# KiCad board ttlcalc2.kicad_pcb
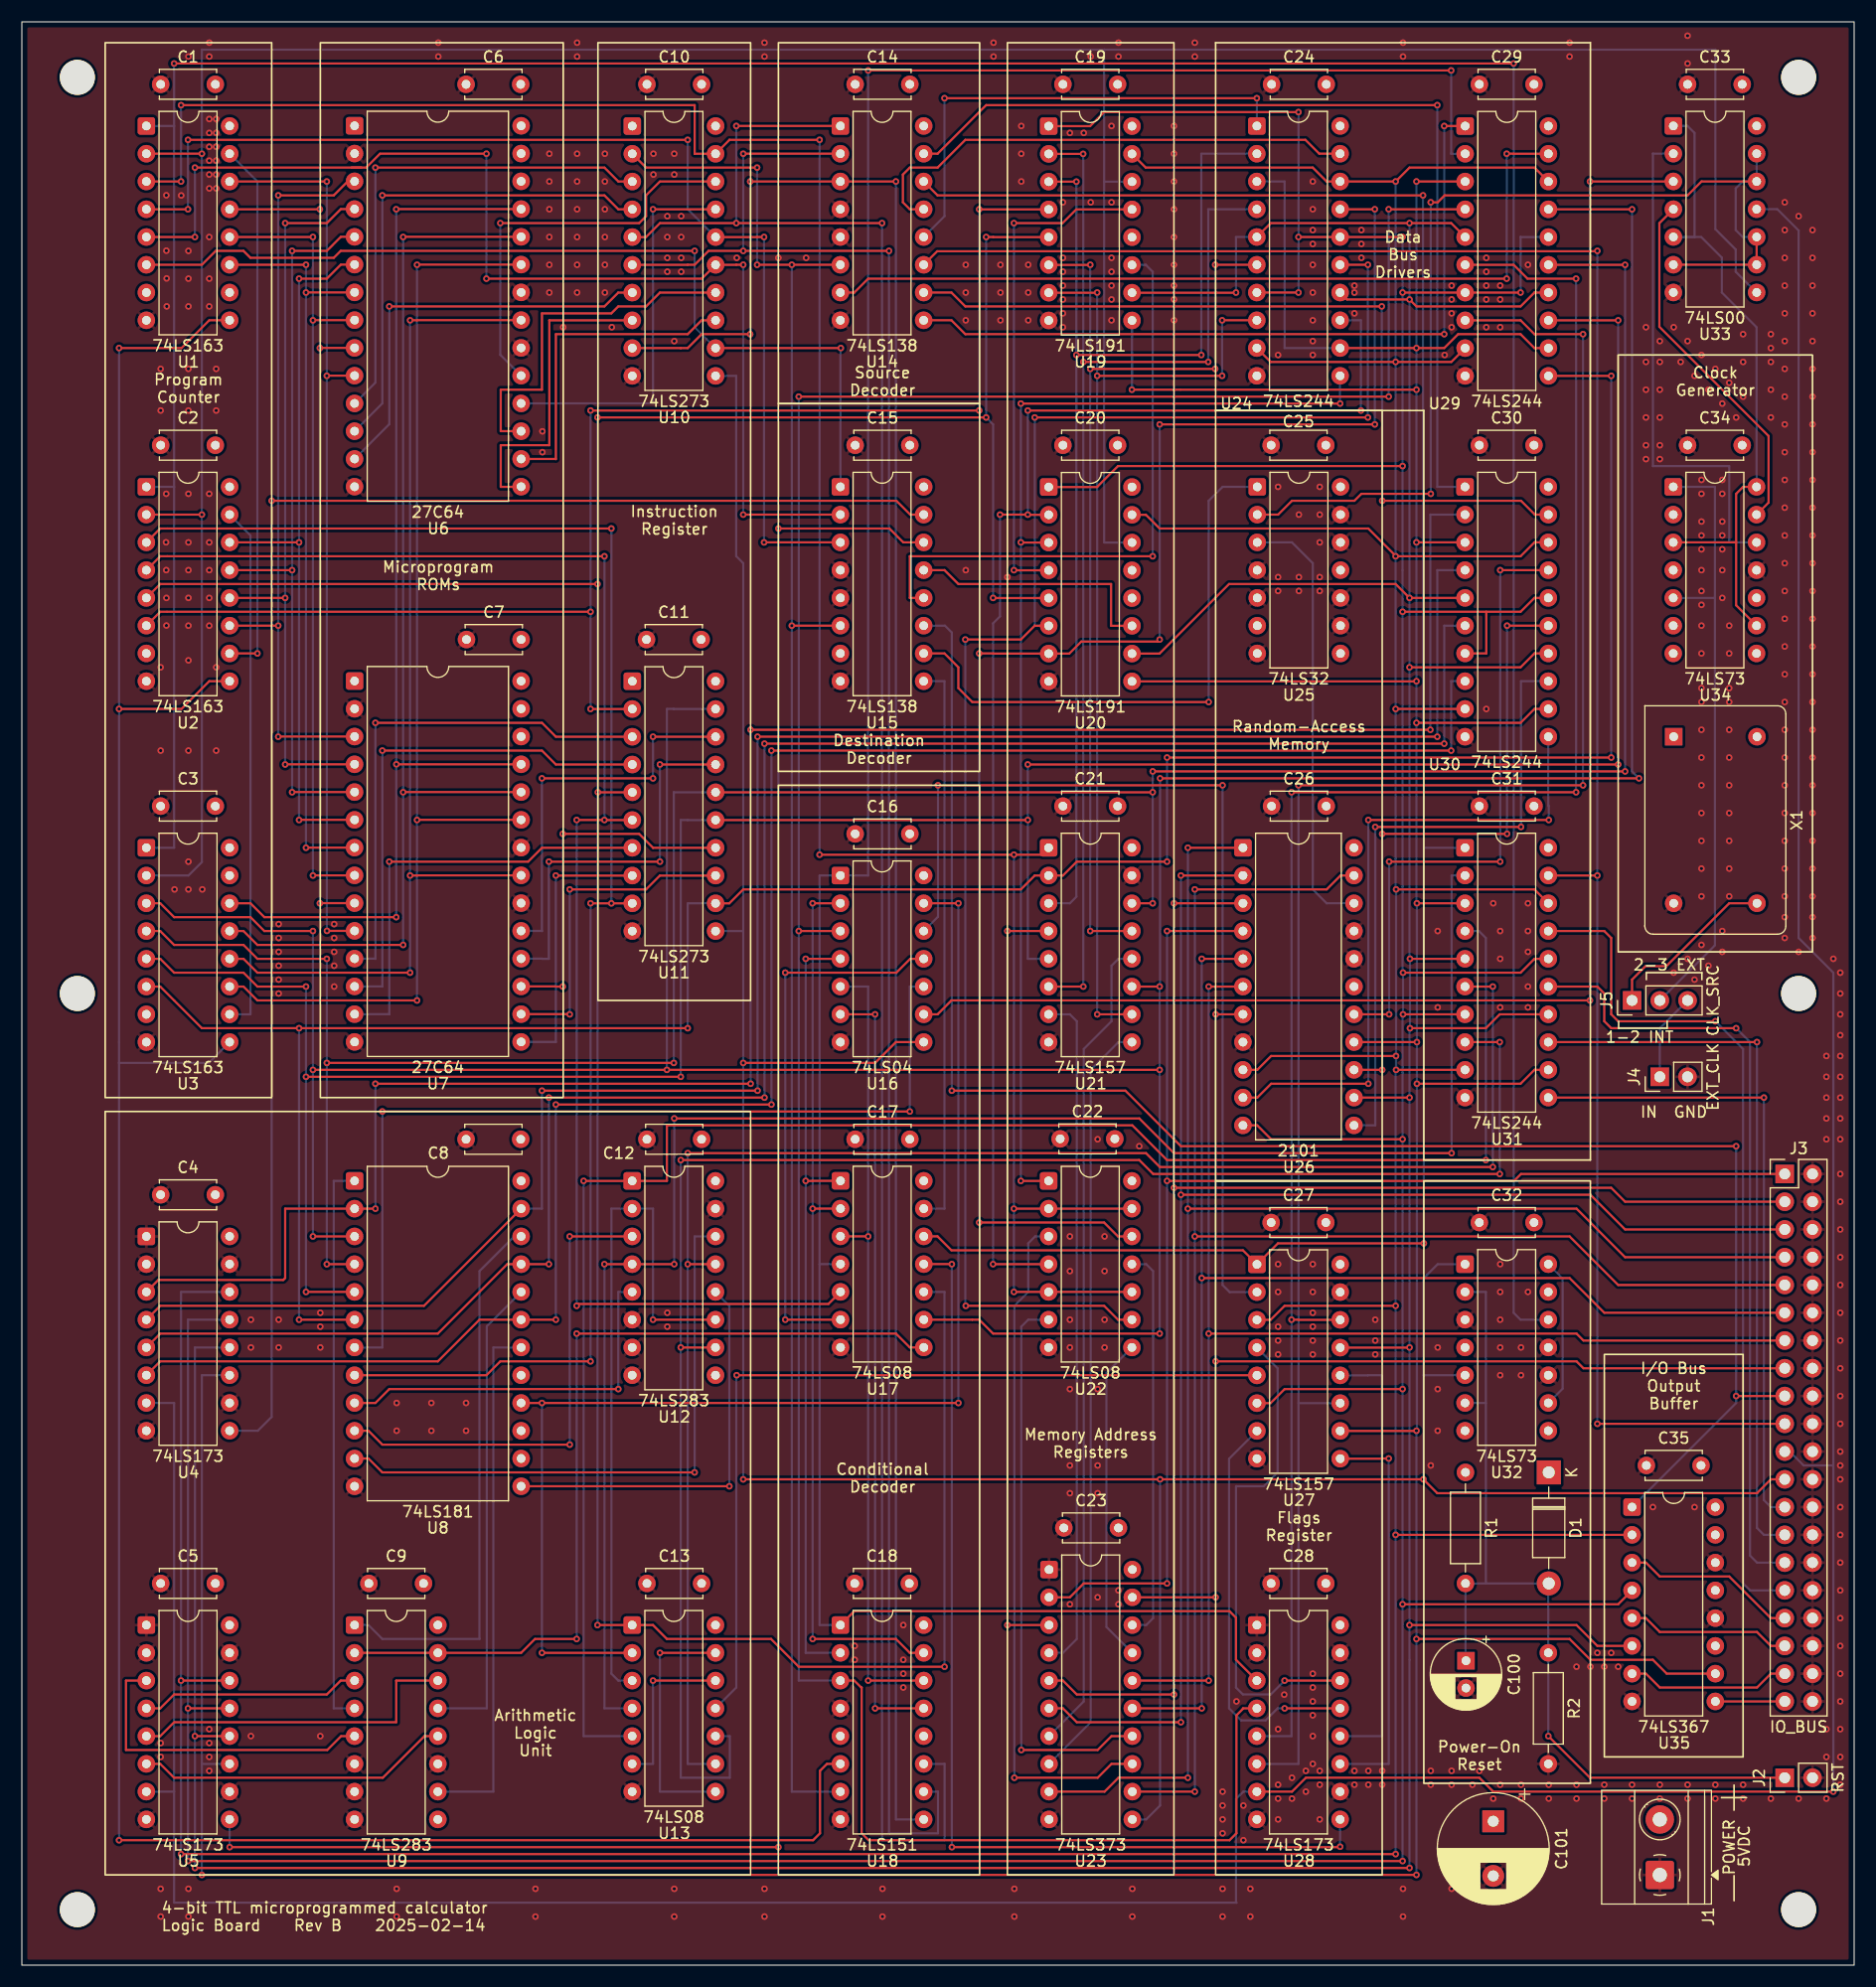
[diagram p0: board, top side]
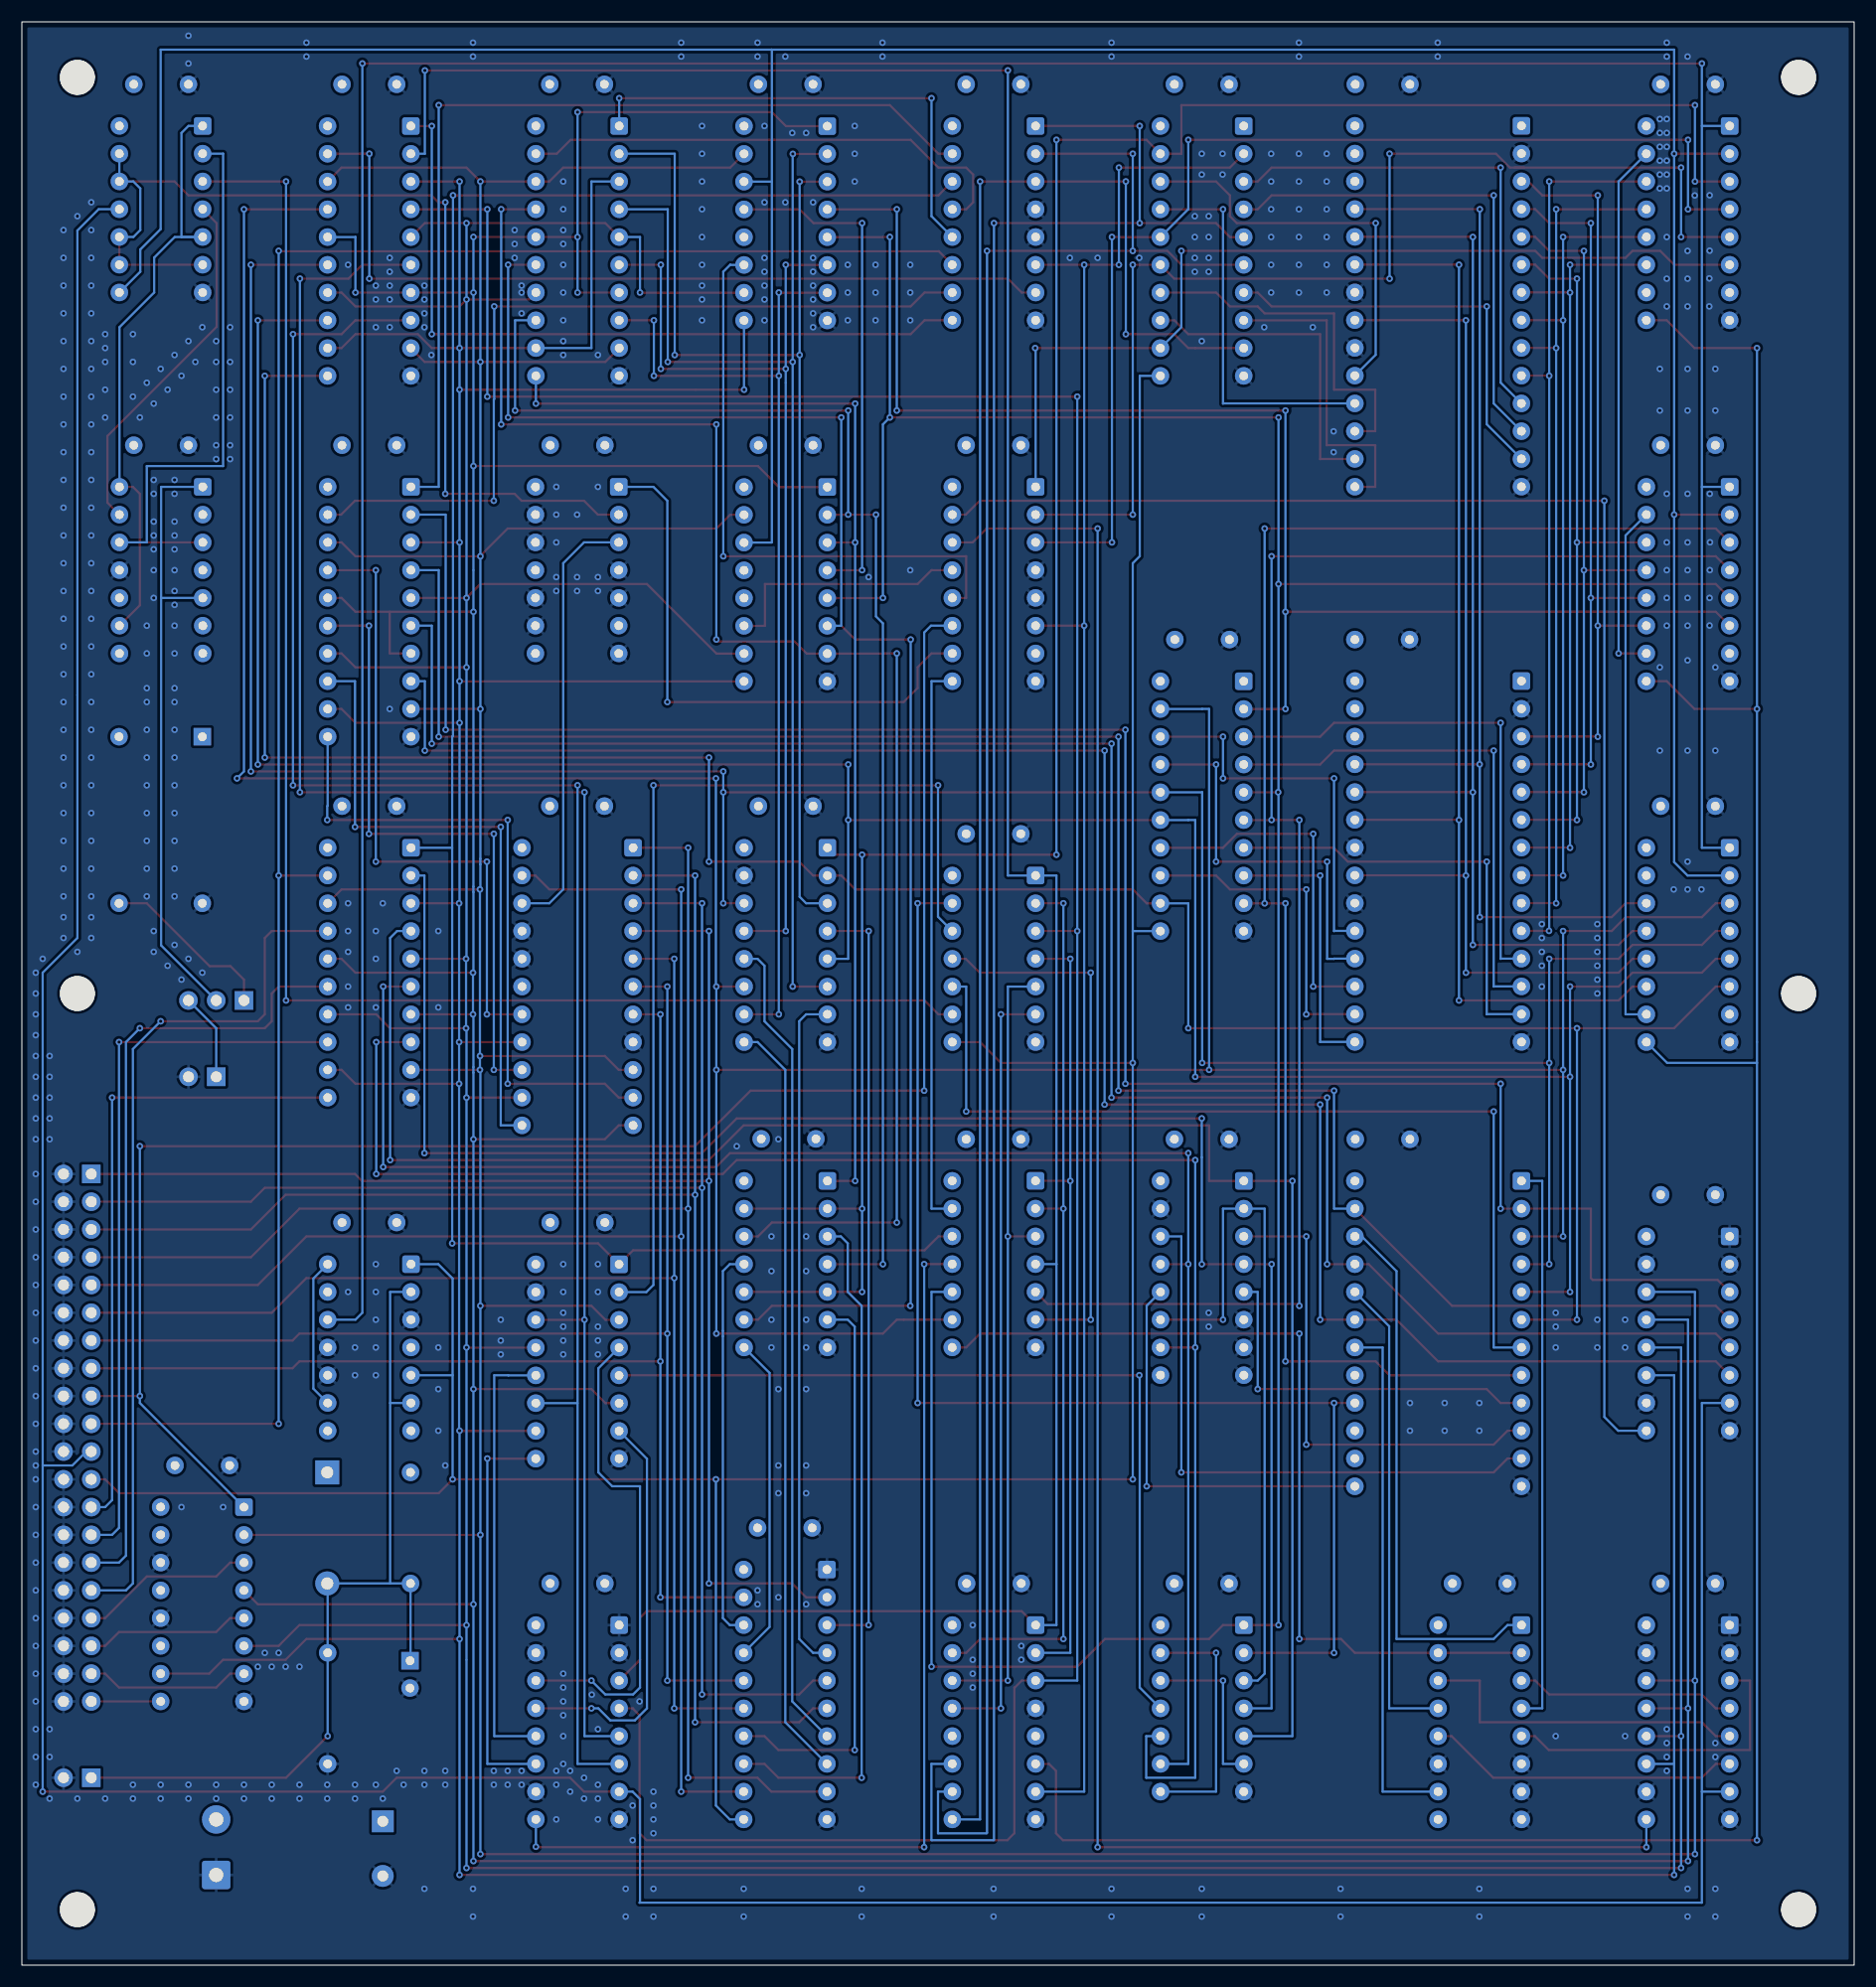
[diagram p1: board, bottom side, seen from below]

Outline 167.64 x 177.8 mm; copper layers: Top, In1.Cu (plane), In2.Cu (plane), Bottom. Coordinates in mm from the lower left corner of the outline.
Outline path: rectangle 0,177.8 167.64,0
Stack: Top 0.035mm / dielectric 0.1mm FR4 er 4.5 / In1.Cu 0.035mm / dielectric 1.24mm FR4 er 4.5 / In2.Cu 0.035mm / dielectric 0.1mm FR4 er 4.5 / Bottom 0.035mm

## Placement (name value [footprint] x y rotation side)
C1  100n  [C_Disc_D5.0mm_W2.5mm_P5.00mm]  12.7 172.09 0 top
C2  100n  [C_Disc_D5.0mm_W2.5mm_P5.00mm]  12.7 139.06 0 top
C3  100n  [C_Disc_D5.0mm_W2.5mm_P5.00mm]  12.7 106.05 0 top
C4  100n  [C_Disc_D5.0mm_W2.5mm_P5.00mm]  12.7 70.49 0 top
C5  100n  [C_Disc_D5.0mm_W2.5mm_P5.00mm]  12.7 34.93 0 top
C6  100n  [C_Disc_D5.0mm_W2.5mm_P5.00mm]  40.64 172.09 0 top
C7  100n  [C_Disc_D5.0mm_W2.5mm_P5.00mm]  40.68 121.29 0 top
C8  100n  [C_Disc_D5.0mm_W2.5mm_P5.00mm]  40.64 75.57 0 top
C9  100n  [C_Disc_D5.0mm_W2.5mm_P5.00mm]  31.75 34.93 0 top
C10  100n  [C_Disc_D5.0mm_W2.5mm_P5.00mm]  57.19 172.09 0 top
C11  100n  [C_Disc_D5.0mm_W2.5mm_P5.00mm]  57.15 121.29 0 top
C12  100n  [C_Disc_D5.0mm_W2.5mm_P5.00mm]  57.19 75.57 0 top
C13  100n  [C_Disc_D5.0mm_W2.5mm_P5.00mm]  57.19 34.93 0 top
C14  100n  [C_Disc_D5.0mm_W2.5mm_P5.00mm]  76.24 172.09 0 top
C15  100n  [C_Disc_D5.0mm_W2.5mm_P5.00mm]  76.24 139.06 0 top
C16  100n  [C_Disc_D5.0mm_W2.5mm_P5.00mm]  76.24 103.51 0 top
C17  100n  [C_Disc_D5.0mm_W2.5mm_P5.00mm]  76.24 75.57 0 top
C18  100n  [C_Disc_D5.0mm_W2.5mm_P5.00mm]  76.2 34.93 0 top
C19  100n  [C_Disc_D5.0mm_W2.5mm_P5.00mm]  95.25 172.09 0 top
C20  100n  [C_Disc_D5.0mm_W2.5mm_P5.00mm]  95.25 139.06 0 top
C21  100n  [C_Disc_D5.0mm_W2.5mm_P5.00mm]  95.25 106.05 0 top
C22  100n  [C_Disc_D5.0mm_W2.5mm_P5.00mm]  95 75.6 0 top
C23  100n  [C_Disc_D5.0mm_W2.5mm_P5.00mm]  95.33 40.01 0 top
C24  100n  [C_Disc_D5.0mm_W2.5mm_P5.00mm]  114.34 172.09 0 top
C25  100n  [C_Disc_D5.0mm_W2.5mm_P5.00mm]  114.3 139.06 0 top
C26  100n  [C_Disc_D5.0mm_W2.5mm_P5.00mm]  114.34 106.05 0 top
C27  100n  [C_Disc_D5.0mm_W2.5mm_P5.00mm]  114.3 67.95 0 top
C28  100n  [C_Disc_D5.0mm_W2.5mm_P5.00mm]  114.3 34.93 0 top
C29  100n  [C_Disc_D5.0mm_W2.5mm_P5.00mm]  133.35 172.09 0 top
C30  100n  [C_Disc_D5.0mm_W2.5mm_P5.00mm]  133.35 139.06 0 top
C31  100n  [C_Disc_D5.0mm_W2.5mm_P5.00mm]  133.35 106.05 0 top
C32  100n  [C_Disc_D5.0mm_W2.5mm_P5.00mm]  133.35 67.95 0 top
C33  100n  [C_Disc_D5.0mm_W2.5mm_P5.00mm]  152.4 172.09 0 top
C34  100n  [C_Disc_D5.0mm_W2.5mm_P5.00mm]  152.4 139.06 0 top
C35  100n  [C_Disc_D5.0mm_W2.5mm_P5.00mm]  148.63 45.72 0 top
C100  100u  [CP_Radial_D6.3mm_P2.50mm]  132.13 27.85 270 top
C101  1000u  [CP_Radial_D10.0mm_P5.00mm]  134.62 13.16 270 top
D1  D_Schottky  [D_DO-41_SOD81_P10.16mm_Horizontal]  139.7 45.09 270 top
H1  MountingHole  [MountingHole_3.2mm_M3]  5.08 172.72 0 top
H2  MountingHole  [MountingHole_3.2mm_M3]  5.08 88.9 0 top
H3  MountingHole  [MountingHole_3.2mm_M3]  5.08 5.08 0 top
H4  MountingHole  [MountingHole_3.2mm_M3]  162.56 5.08 0 top
H5  MountingHole  [MountingHole_3.2mm_M3]  162.56 88.9 0 top
H6  MountingHole  [MountingHole_3.2mm_M3]  162.56 172.72 0 top
J1  POWER  [TerminalBlock_Phoenix_MKDS-1,5-2-5.08_1x02_P5.08mm_Horizontal]  149.86 8.25 90 top
J2  RST  [PinHeader_1x02_P2.54mm_Vertical]  161.29 17.15 90 top
J3  IO_BUS  [PinHeader_2x20_P2.54mm_Vertical]  161.29 72.39 0 top
J4  EXT_CLK  [PinHeader_1x02_P2.54mm_Vertical]  149.85 81.28 90 top
J5  CLK_SRC  [PinHeader_1x03_P2.54mm_Vertical]  147.32 88.27 90 top
R1  3.3k  [R_Axial_DIN0207_L6.3mm_D2.5mm_P10.16mm_Horizontal]  132.08 45.09 270 top
R2  100k  [R_Axial_DIN0207_L6.3mm_D2.5mm_P10.16mm_Horizontal]  139.66 28.58 270 top
U1  74LS163  [DIP-16_W7.62mm]  11.39 168.28 0 top
U2  74LS163  [DIP-16_W7.62mm]  11.39 135.25 0 top
U3  74LS163  [DIP-16_W7.62mm]  11.39 102.24 0 top
U4  74LS173  [DIP-16_W7.62mm]  11.39 66.68 0 top
U5  74LS173  [DIP-16_W7.62mm]  11.39 31.12 0 top
U6  27C64  [DIP-28_W15.24mm]  30.44 168.29 0 top
U7  27C64  [DIP-28_W15.24mm]  30.44 117.49 0 top
U8  74LS181  [DIP-24_W15.24mm]  30.44 71.76 0 top
U9  74LS283  [DIP-16_W7.62mm]  30.44 31.12 0 top
U10  74LS273  [DIP-20_W7.62mm]  55.85 168.27 0 top
U11  74LS273  [DIP-20_W7.62mm]  55.85 117.47 0 top
U12  74LS283  [DIP-16_W7.62mm]  55.84 71.76 0 top
U13  74LS08  [DIP-14_W7.62mm]  55.84 31.12 0 top
U14  74LS138  [DIP-16_W7.62mm]  74.89 168.28 0 top
U15  74LS138  [DIP-16_W7.62mm]  74.89 135.25 0 top
U16  74LS04  [DIP-14_W7.62mm]  74.89 99.7 0 top
U17  74LS08  [DIP-14_W7.62mm]  74.9 71.76 0 top
U18  74LS151  [DIP-16_W7.62mm]  74.89 31.12 0 top
U19  74LS191  [DIP-16_W7.62mm]  93.95 168.26 0 top
U20  74LS191  [DIP-16_W7.62mm]  93.95 135.24 0 top
U21  74LS157  [DIP-16_W7.62mm]  93.94 102.24 0 top
U22  74LS08  [DIP-14_W7.62mm]  93.94 71.76 0 top
U23  74LS373  [DIP-20_W7.62mm]  93.98 36.2 0 top
U24  74LS244  [DIP-20_W7.62mm]  112.99 168.28 0 top
U25  74LS32  [DIP-14_W7.62mm]  113.03 135.25 0 top
U26  2101  [DIP-22_W10.16mm]  111.72 102.24 0 top
U27  74LS157  [DIP-16_W7.62mm]  113 64.12 0 top
U28  74LS173  [DIP-16_W7.62mm]  112.99 31.12 0 top
U29  74LS244  [DIP-20_W7.62mm]  132.05 168.27 0 top
U30  74LS244  [DIP-20_W7.62mm]  132.04 135.25 0 top
U31  74LS244  [DIP-20_W7.62mm]  132.04 102.24 0 top
U32  74LS73  [DIP-14_W7.62mm]  132.04 64.14 0 top
U33  74LS00  [DIP-14_W7.62mm]  151.1 168.28 0 top
U34  74LS73  [DIP-14_W7.62mm]  151.09 135.25 0 top
U35  74LS367  [DIP-16_W7.62mm]  147.32 41.91 0 top
X1  TCXO3  [Oscillator_DIP-14]  151.13 112.4 270 top

## Library data of the parts
C1-C35 = -: Description: Unpolarized capacitor; ki_fp_filters: C_*
C100 C101 = -: Description: Polarized capacitor, US symbol; ki_fp_filters: CP_*
D1 = -: ki_fp_filters: TO-???* *_Diode_* *SingleDiode* D_*
H1-H6 = -: Description: Mounting Hole without connection; ki_fp_filters: MountingHole*
J1 J2 J4 = -: Description: Generic connector, single row, 01x02, script generated (kicad-library-utils/schlib/autogen/connector/); ki_fp_filters: Connector*:*_1x??_*
J3 = -: Description: Generic connector, double row, 02x20, odd/even pin numbering scheme (row 1 odd numbers, row 2 even numbers), script generated (kicad-library-utils/schlib/autogen/connector/); ki_fp_filters: Connector*:*_2x??_*
J5 = -: Description: Generic connector, single row, 01x03, script generated (kicad-library-utils/schlib/autogen/connector/); ki_fp_filters: Connector*:*_1x??_*
R1 R2 = -: ki_fp_filters: R_*
U16 = -: Datasheet: http://www.ti.com/lit/gpn/sn74LS04; Description: Hex Inverseur
U23 = -: Datasheet: http://www.ti.com/lit/gpn/sn74LS373; Description: 8-bit Latch, 3-state outputs; ki_fp_filters: DIP?20* SOIC?20* SO?20* SSOP?20* TSSOP?20*
U25 = -: Description: Quad Or 2 inputs
U26 = -: ki_fp_filters: DIP* PDIP*
U33 = -: ki_fp_filters: 14DIP300* SO14*
U35 = -: Description: Hex Bus Driver 3 state Out
X1 = -: Datasheet: http://cdn-reichelt.de/documents/datenblatt/B400/OSZI.pdf; Description: Crystal Clock Oscillator, DIP14-style metal package; ki_fp_filters: Oscillator*DIP*14*

## Footprints (pads in the part's own frame, mm; a bottom-side part is the same pattern mirrored in y, then rotated)
C_Disc_D5.0mm_W2.5mm_P5.00mm
  round 1.6 hole 0.8: 1(0,0) 2(5,0)
CP_Radial_D6.3mm_P2.50mm
  rect 1.6x1.6 hole 0.8: 1(0,0)
  round 1.6 hole 0.8: 2(2.5,0)
CP_Radial_D10.0mm_P5.00mm
  rect 2x2 hole 1: 1(0,0)
  round 2 hole 1: 2(5,0)
D_DO-41_SOD81_P10.16mm_Horizontal
  rect 2.2x2.2 hole 1.1: 1(0,0)
  oval 2.2x2.2 hole 1.1: 2(10.16,0)
DIP-14_W7.62mm
  rrect 1.6x1.6 hole 0.8: 1(0,0)
  round 1.6 hole 0.8: 2(0,-2.54) 3(0,-5.08) 4(0,-7.62) 5(0,-10.16) 6(0,-12.7) 7(0,-15.24) 8(7.62,-15.24) 9(7.62,-12.7) 10(7.62,-10.16) 11(7.62,-7.62) 12(7.62,-5.08) 13(7.62,-2.54) 14(7.62,0)
DIP-16_W7.62mm
  rrect 1.6x1.6 hole 0.8: 1(0,0)
  round 1.6 hole 0.8: 2(0,-2.54) 3(0,-5.08) 4(0,-7.62) 5(0,-10.16) 6(0,-12.7) 7(0,-15.24) 8(0,-17.78) 9(7.62,-17.78) 10(7.62,-15.24) 11(7.62,-12.7) 12(7.62,-10.16) 13(7.62,-7.62) 14(7.62,-5.08) 15(7.62,-2.54) 16(7.62,0)
DIP-20_W7.62mm
  rrect 1.6x1.6 hole 0.8: 1(0,0)
  round 1.6 hole 0.8: 2(0,-2.54) 3(0,-5.08) 4(0,-7.62) 5(0,-10.16) 6(0,-12.7) 7(0,-15.24) 8(0,-17.78) 9(0,-20.32) 10(0,-22.86) 11(7.62,-22.86) 12(7.62,-20.32) 13(7.62,-17.78) 14(7.62,-15.24) 15(7.62,-12.7) 16(7.62,-10.16) 17(7.62,-7.62) 18(7.62,-5.08) 19(7.62,-2.54) 20(7.62,0)
DIP-22_W10.16mm
  rrect 1.6x1.6 hole 0.8: 1(0,0)
  round 1.6 hole 0.8: 2(0,-2.54) 3(0,-5.08) 4(0,-7.62) 5(0,-10.16) 6(0,-12.7) 7(0,-15.24) 8(0,-17.78) 9(0,-20.32) 10(0,-22.86) 11(0,-25.4) 12(10.16,-25.4) 13(10.16,-22.86) 14(10.16,-20.32) 15(10.16,-17.78) 16(10.16,-15.24) 17(10.16,-12.7) 18(10.16,-10.16) 19(10.16,-7.62) 20(10.16,-5.08) 21(10.16,-2.54) 22(10.16,0)
DIP-24_W15.24mm
  rrect 1.6x1.6 hole 0.8: 1(0,0)
  round 1.6 hole 0.8: 2(0,-2.54) 3(0,-5.08) 4(0,-7.62) 5(0,-10.16) 6(0,-12.7) 7(0,-15.24) 8(0,-17.78) 9(0,-20.32) 10(0,-22.86) 11(0,-25.4) 12(0,-27.94) 13(15.24,-27.94) 14(15.24,-25.4) 15(15.24,-22.86) 16(15.24,-20.32) 17(15.24,-17.78) 18(15.24,-15.24) 19(15.24,-12.7) 20(15.24,-10.16) 21(15.24,-7.62) 22(15.24,-5.08) 23(15.24,-2.54) 24(15.24,0)
DIP-28_W15.24mm
  rrect 1.6x1.6 hole 0.8: 1(0,0)
  round 1.6 hole 0.8: 2(0,-2.54) 3(0,-5.08) 4(0,-7.62) 5(0,-10.16) 6(0,-12.7) 7(0,-15.24) 8(0,-17.78) 9(0,-20.32) 10(0,-22.86) 11(0,-25.4) 12(0,-27.94) 13(0,-30.48) 14(0,-33.02) 15(15.24,-33.02) 16(15.24,-30.48) 17(15.24,-27.94) 18(15.24,-25.4) 19(15.24,-22.86) 20(15.24,-20.32) 21(15.24,-17.78) 22(15.24,-15.24) 23(15.24,-12.7) 24(15.24,-10.16) 25(15.24,-7.62) 26(15.24,-5.08) 27(15.24,-2.54) 28(15.24,0)
MountingHole_3.2mm_M3
  round 3.2 hole 3.2 unplated: (0,0)
Oscillator_DIP-14
  rect 1.6x1.6 hole 0.8: 1(0,0)
  round 1.6 hole 0.8: 7(15.24,0) 8(15.24,7.62) 14(0,7.62)
PinHeader_1x02_P2.54mm_Vertical
  rect 1.7x1.7 hole 1: 1(0,0)
  oval 1.7x1.7 hole 1: 2(0,-2.54)
PinHeader_1x03_P2.54mm_Vertical
  rect 1.7x1.7 hole 1: 1(0,0)
  oval 1.7x1.7 hole 1: 2(0,-2.54) 3(0,-5.08)
PinHeader_2x20_P2.54mm_Vertical
  rect 1.7x1.7 hole 1: 1(0,0)
  oval 1.7x1.7 hole 1: 2(2.54,0) 3(0,-2.54) 4(2.54,-2.54) 5(0,-5.08) 6(2.54,-5.08) 7(0,-7.62) 8(2.54,-7.62) 9(0,-10.16) 10(2.54,-10.16) 11(0,-12.7) 12(2.54,-12.7) 13(0,-15.24) 14(2.54,-15.24) 15(0,-17.78) 16(2.54,-17.78) 17(0,-20.32) 18(2.54,-20.32) 19(0,-22.86) 20(2.54,-22.86) 21(0,-25.4) 22(2.54,-25.4) 23(0,-27.94) 24(2.54,-27.94) 25(0,-30.48) 26(2.54,-30.48) 27(0,-33.02) 28(2.54,-33.02) 29(0,-35.56) 30(2.54,-35.56) 31(0,-38.1) 32(2.54,-38.1) 33(0,-40.64) 34(2.54,-40.64) 35(0,-43.18) 36(2.54,-43.18) 37(0,-45.72) 38(2.54,-45.72) 39(0,-48.26) 40(2.54,-48.26)
R_Axial_DIN0207_L6.3mm_D2.5mm_P10.16mm_Horizontal
  round 1.6 hole 0.8: 1(0,0)
  oval 1.6x1.6 hole 0.8: 2(10.16,0)
TerminalBlock_Phoenix_MKDS-1,5-2-5.08_1x02_P5.08mm_Horizontal
  rrect 2.6x2.6 hole 1.3: 1(0,0)
  round 2.6 hole 1.3: 2(5.08,0)

## Nets
GND: C1.1 C2.1 C3.1 C4.1 C5.1 C6.1 C7.1 C8.1 C9.1 C10.1 C11.1 C12.1 C13.1 C14.1 C15.1 C16.1 C17.1 C18.1 C19.1 C20.1 C21.1 C22.1 C23.1 C24.1 C25.1 C26.1 C27.1 C28.1 C29.1 C30.1 C31.1 C32.1 C33.1 C34.1 C35.1 C100.2 C101.2 J1.1 J2.2 J3.2 J3.4 J3.6 J3.8 J3.10 J3.12 J3.14 J3.16 J3.18 J3.20 J3.22 J3.24 J3.26 J3.28 J3.30 J3.32 J3.34 J3.36 J3.38 J3.40 J4.2 R2.2 U1.8 U2.8 U3.8 U4.1 U4.2 U4.8 U4.10 U4.15 U5.1 U5.2 U5.8 U5.10 U5.15 U6.2 U6.14 U6.20 U6.22 U7.2 U7.14 U7.20 U7.22 U8.12 U9.6 U9.7 U9.8 U9.11 U10.10 U11.10 U12.6 U12.7 U12.8 U12.15 U13.7 U14.4 U14.5 U14.8 U15.4 U15.5 U15.8 U16.7 U17.7 U18.4 U18.8 U19.8 U20.8 U21.8 U21.15 U22.7 U23.1 U23.10 U24.10 U25.4 U25.5 U25.7 U25.9 U25.10 U25.12 U25.13 U26.8 U26.18 U26.19 U27.8 U27.15 U28.1 U28.2 U28.8 U28.10 U28.15 U29.10 U30.10 U31.10 U32.3 U32.10 U32.11 U33.7 U34.11 U35.8 U35.12 U35.14 X1.7
VCC: C1.2 C2.2 C3.2 C4.2 C5.2 C6.2 C7.2 C8.2 C9.2 C10.2 C11.2 C12.2 C13.2 C14.2 C15.2 C16.2 C17.2 C18.2 C19.2 C20.2 C21.2 C22.2 C23.2 C24.2 C25.2 C26.2 C27.2 C28.2 C29.2 C30.2 C31.2 C32.2 C33.2 C34.2 C35.2 C101.1 D1.1 J1.2 R1.1 U1.7 U1.10 U1.16 U2.7 U2.16 U3.7 U3.16 U4.16 U5.16 U6.28 U7.28 U8.24 U9.16 U10.1 U10.20 U11.1 U11.20 U12.16 U13.14 U14.16 U15.16 U16.14 U17.14 U18.12 U18.16 U19.16 U20.16 U21.16 U22.14 U23.20 U24.20 U25.14 U26.17 U26.22 U27.16 U28.16 U29.20 U30.20 U31.20 U32.4 U32.7 U33.14 U34.2 U34.4 U34.6 U34.7 U34.10 U35.15 U35.16 X1.14
/A0: U1.14 U6.10 U7.10
/A1: U1.13 U6.9 U7.9
/A2: U1.12 U6.8 U7.8
/A3: U1.11 U6.7 U7.7
/A4: U2.14 U6.6 U7.6
/A5: U2.13 U6.5 U7.5
/A6: U2.12 U6.4 U7.4
/A7: U2.11 U6.3 U7.3
/A8: U3.14 U6.25 U7.25
/A9: U3.13 U6.24 U7.24
/A10: U3.12 U6.21 U7.21
/A11: U3.11 U6.23 U7.23
/CF: U16.1 U17.4 U18.1 U28.3 U29.2
/CLK1: J3.23 U10.11 U11.11 U16.8 U23.11 U32.1 U32.5
/CLK2a: U1.2 U2.2 U3.2 U19.14 U20.14 U33.8
/CLK2b: J3.21 U4.7 U5.7 U28.7 U33.11
/COUT: U16.12 U27.2
/DI0: J3.25 U31.11
/DI1: J3.27 U31.13
/DI2: J3.29 U31.15
/DI3: J3.31 U31.17
/DO0: J3.33 U35.3
/DO1: J3.35 U35.5
/DO2: J3.37 U35.7
/DO3: J3.39 U35.9
/EF: U16.3 U18.3 U28.4 U29.4
/EOUT: U13.11 U27.5
/F0: U12.4 U13.4 U31.2
/F1: U12.1 U13.5 U31.4
/F2: U12.13 U13.9 U31.6
/F3: U12.10 U13.10 U31.8
/GT: U16.5 U17.3 U18.14
/H0: U20.3 U22.1 U24.11
/H1: U20.2 U22.4 U24.13
/H2: U20.6 U22.9 U24.15
/H3: U20.7 U22.12 U24.17
/IR0: U10.2 U14.6 U15.6 U18.7
/IR1: U10.5 U14.1 U18.11
/IR2: U10.6 U14.2 U18.10
/IR3: U10.9 U14.3 U18.9
/IR4: U1.6 U10.12 U15.1
/IR5: U1.5 U10.15 U15.2
/IR6: U1.4 U10.16 U15.3
/IR7: U1.3 U10.19 U21.1 U22.2 U22.5 U22.10 U22.13
/IR8: U2.6 U11.2 U19.4
/IR9: U2.5 U11.5 U13.1 U17.10 U19.5 U20.5
/IR10: U2.4 U11.6 U17.5
/IR11: U2.3 U8.8 U11.9
/IR12: U3.6 U8.6 U11.12 U21.2 U29.11
/IR13: U3.5 U8.5 U11.15 U21.5 U29.13
/IR14: U3.4 U8.4 U11.16 U21.14 U29.15
/IR15: U3.3 U8.3 U11.19 U17.9 U21.11 U29.17
/L0: U19.3 U21.3 U24.2
/L1: U19.2 U21.6 U24.4
/L2: U19.6 U21.13 U24.6
/L3: U19.7 U21.10 U24.8
/LE: U16.6 U18.13
/MA0: J3.1 U23.2 U26.4
/MA1: J3.3 U23.5 U26.3
/MA2: J3.5 U23.6 U26.2
/MA3: J3.7 U23.9 U26.1
/MA4: J3.9 U23.12 U26.21
/MA5: J3.11 U23.15 U26.5
/MA6: J3.13 U23.16 U26.6
/MA7: J3.15 U23.19 U26.7
/MD0: U26.10 U30.11
/MD1: U26.12 U30.13
/MD2: U26.14 U30.15
/MD3: U26.16 U30.17
/X0: U4.3 U8.2 U30.2
/X1: U4.4 U8.23 U30.4
/X2: U4.5 U8.21 U30.6
/X3: U4.6 U8.19 U30.8
/XF: U27.14 U28.5 U29.6
/Y0: U5.3 U9.5
/Y1: U5.4 U9.3
/Y2: U5.5 U9.14
/Y3: U5.6 U9.12
/YF: U27.11 U28.6 U29.8
/Z0: U4.14 U5.14 U19.15 U20.15 U24.9 U24.18 U26.9 U27.3 U29.9 U29.18 U30.9 U30.18 U31.9 U31.18 U35.2
/Z1: U4.13 U5.13 U19.1 U20.1 U24.7 U24.16 U26.11 U27.6 U29.7 U29.16 U30.7 U30.16 U31.7 U31.16 U35.4
/Z2: U4.12 U5.12 U19.10 U20.10 U24.5 U24.14 U26.13 U27.13 U29.5 U29.14 U30.5 U30.14 U31.5 U31.14 U35.6
/Z3: U4.11 U5.11 U19.9 U20.9 U24.3 U24.12 U26.15 U27.10 U29.3 U29.12 U30.3 U30.12 U31.3 U31.12 U35.10
/~{CF}: U16.2 U17.2 U18.15
/~{CLK2}: U25.2 U33.6 U33.9 U33.10 U33.12 U33.13
/~{COUT}: U8.16 U13.2 U16.13
/~{EF}: U16.4 U17.1 U18.2
/~{JMP}: U1.9 U2.9 U3.9 U18.6
/~{RALU}: U14.14 U17.12 U27.1 U31.1
/~{RFlags}: U14.9 U29.1
/~{RH}: U14.13 U24.19
/~{RImm}: U14.7 U29.19
/~{RIO}: J3.19 U14.11 U31.19
/~{RL}: U14.12 U24.1
/~{RMem}: U14.10 U30.19
/~{RST}: U1.1 U2.1 U3.1 U32.12
/~{RX}: U14.15 U30.1
/~{W_Flags}: U15.9 U17.13
/~{WH}: U15.13 U20.11
/~{WIO}: J3.17 U15.11 U35.1
/~{WL}: U15.12 U19.11
/~{WMem}: U15.10 U25.1
/~{WX}: U4.9 U15.15
/~{WY}: U5.9 U15.14
Net-(D1-A): C100.1 D1.2 J2.1 R1.2 R2.1 U32.2 U32.6
Net-(J4-Pin_1): J4.1 J5.3
Net-(J5-Pin_1): J5.1 X1.8
Net-(J5-Pin_2): J5.2 U34.1 U34.5
Net-(U1-Tc): U1.15 U2.10
Net-(U2-Tc): U2.15 U3.10
Net-(U8-B0): U8.1 U9.4
Net-(U8-B1): U8.22 U9.1
Net-(U8-B2): U8.20 U9.13
Net-(U8-B3): U8.18 U9.10
Net-(U8-Cn): U8.7 U16.10
Net-(U9-B2): U9.2 U9.15 U17.8
Net-(U10-D0): U6.11 U10.3
Net-(U10-D1): U6.12 U10.4
Net-(U10-D2): U6.13 U10.7
Net-(U10-D3): U6.15 U10.8
Net-(U10-D4): U6.16 U10.13
Net-(U10-D5): U6.17 U10.14
Net-(U10-D6): U6.18 U10.17
Net-(U10-D7): U6.19 U10.18
Net-(U11-D0): U7.11 U11.3
Net-(U11-D1): U7.12 U11.4
Net-(U11-D2): U7.13 U11.7
Net-(U11-D3): U7.15 U11.8
Net-(U11-D4): U7.16 U11.13
Net-(U11-D5): U7.17 U11.14
Net-(U11-D6): U7.18 U11.17
Net-(U11-D7): U7.19 U11.18
Net-(U12-A1): U8.9 U12.5
Net-(U12-A2): U8.10 U12.3
Net-(U12-A3): U8.11 U12.14
Net-(U12-A4): U8.13 U12.12
Net-(U12-B2): U12.2 U12.11 U13.3
Net-(U13-Pad12): U13.6 U13.12
Net-(U13-Pad13): U13.8 U13.13
Net-(U16-Pad9): U16.9 U33.3
Net-(U16-Pad11): U16.11 U17.6
Net-(U19-~{Rc}): U19.13 U20.4
Net-(U21-Za): U21.4 U23.3
Net-(U21-Zb): U21.7 U23.4
Net-(U21-Zc): U21.12 U23.7
Net-(U21-Zd): U21.9 U23.8
Net-(U23-D4): U22.3 U23.13
Net-(U23-D5): U22.6 U23.14
Net-(U23-D6): U22.8 U23.17
Net-(U23-D7): U22.11 U23.18
Net-(U26-~{WE}): U25.3 U26.20
Net-(U27-Za): U27.4 U28.14
Net-(U27-Zb): U27.7 U28.13
Net-(U27-Zc): U27.12 U28.12
Net-(U27-Zd): U27.9 U28.11
Net-(U28-E1): U17.11 U28.9
Net-(U32A-Q): U32.9 U32.14
Net-(U34A-Q): U33.1 U33.5 U34.3 U34.9 U34.14
Net-(U34B-Q): U33.2 U34.12
Net-(U34B-~{Q}): U33.4 U34.13

Pads without a net: U3 15; U6 1 26 27; U7 1 26 27; U8 14 15 17; U9 9; U12 9; U15 7; U18 5; U19 12; U20 12 13; U25 6 8 11; U32 8 13; U34 8; U35 11 13; X1 1

## Via types
v1: diameter 0.6, hole 0.3, Top to Bottom, 963 vias
